# Altium PCB PCB2.PcbDoc (part 1 of 2) (continued)
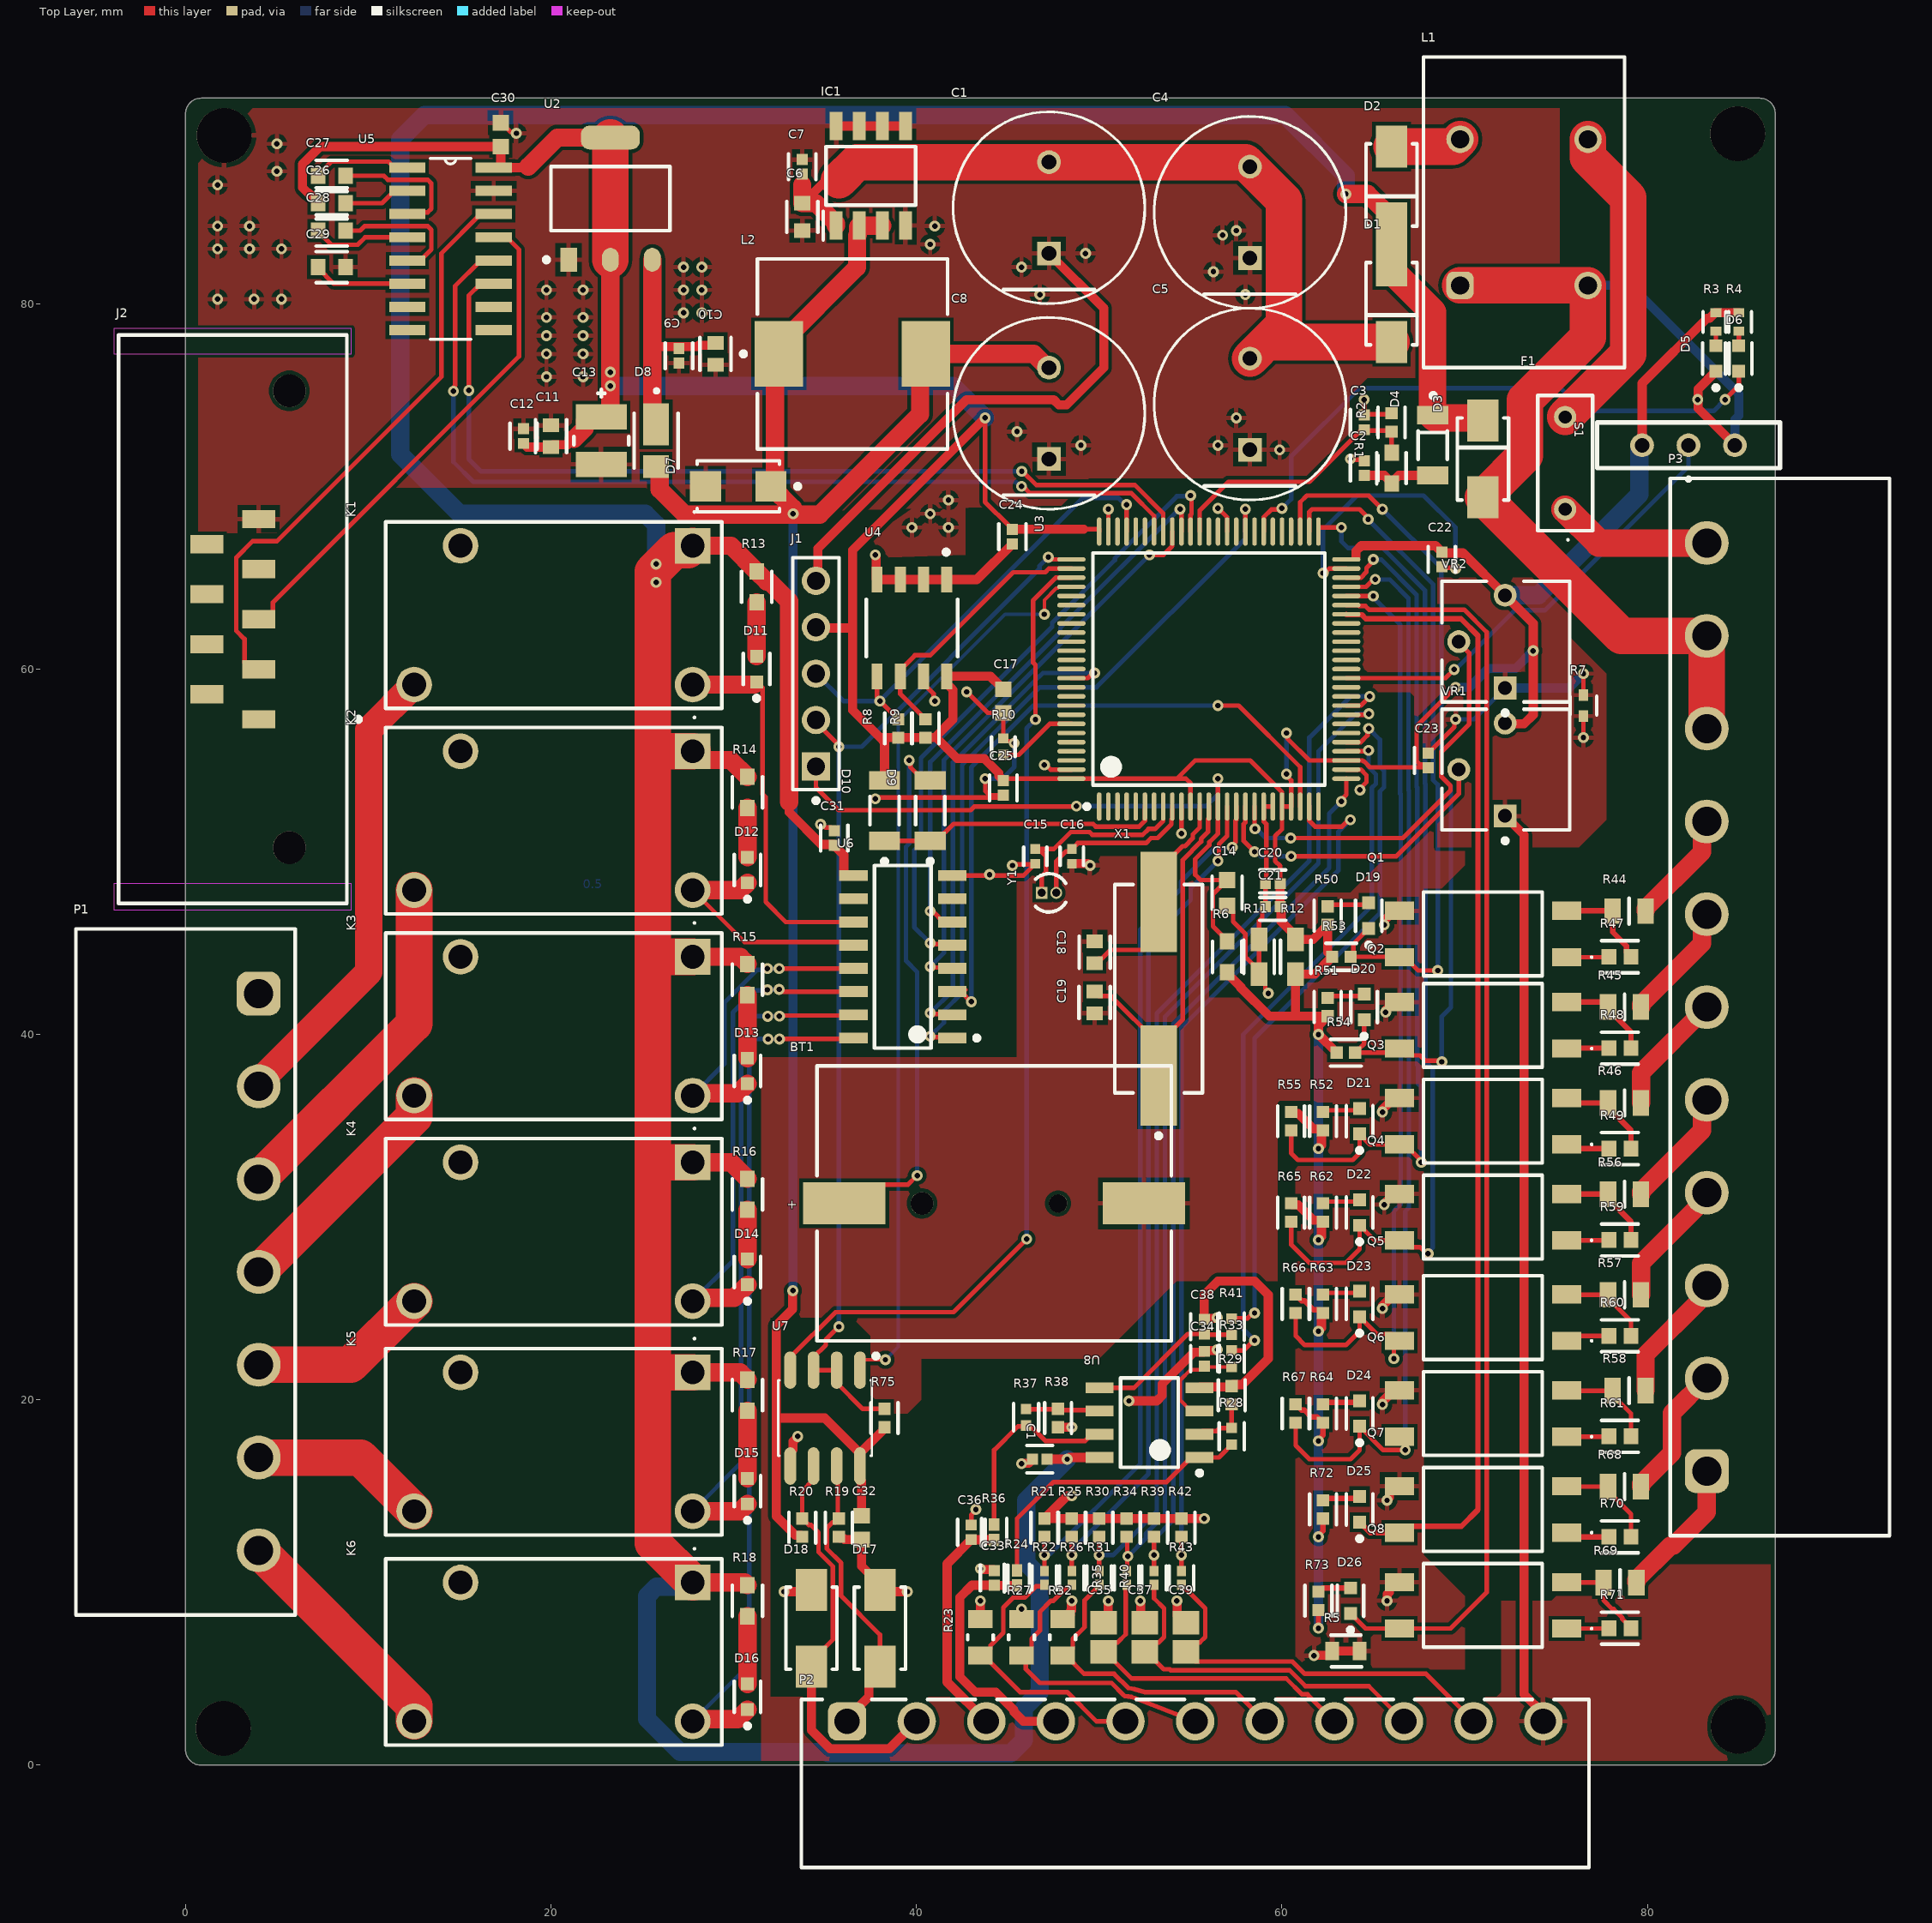
[diagram p0: Top Layer view]
## Part data (continued)
C35 C37 C39: library part CMP-2007-01019-1, Manufacturer=Kemet, Part Number=C0805C106M8PACTU
D1 D2: library part CMP-03913-71101534-2, "Trans Voltage Suppressor Diode, 400W, Unidirectional, 1 Element, Silicon, DO-214AC", Breakdown Voltage=8.19V, Clamping Voltage=12V, Leakage Current=200µA, Max Operating Temperature=150°C, Min Operating Temperature=-65°C, Peak Pulse Current=33.3A, Peak Pulse Power=400W, Power Line Protection=No, Reverse Standoff Voltage=7V, Composition=Zener, Height=2.25mm, Length=4.24mm, Max Breakdown Voltage=8.19V, Min Breakdown Voltage=8.19V, Mount="Surface Mount", Number of Pins=2, Number of Unidirectional Channels=1, Packaging="Cut Tape", Polarity=Unidirectional, REACH SVHC=Unknown, RoHS=Compliant, Width=2.67mm
D3: library part CMP-03913-71101519-2, "TVS diode [Würth Elektronik] 824500281 TVS diode", Breakdown Voltage=32.75V, Clamping Voltage=45.4V, Leakage Current=1µA, Max Operating Temperature=150°C, Min Operating Temperature=-65°C, Peak Pulse Current=8.8A, Peak Pulse Power=400W, Power Line Protection=No, Reverse Standoff Voltage=28V, Composition=Zener, Height=2.25mm, Length=4.24mm, Max Breakdown Voltage=32.75V, Min Breakdown Voltage=32.75V, Mount="Surface Mount", Number of Pins=2, Number of Unidirectional Channels=1, Packaging="Cut Tape", Polarity=Unidirectional, REACH SVHC=Unknown, RoHS=Compliant, Width=2.67mm
D4: library part CMP-14400-000013-1, "DIODE ZENER 12V 500MW SOD80C", Forward Current=250mA, Manufacturer=Nexperia, Max Junction Temp=+200°C, Max Reverse Leakage Current=0.1uA, Max Zener Voltage=12.7V, Nom Zener Voltage=12V, Package=SOD80C, Power Dissipation=400mW, Reverse Voltage=8V, Temperature="-65°C to +200°C", Temperature Range Low=-65°C, Automotive=No, Category=Diode, ComponentLink2Description=Datasheet, ComponentLink2URL=https://assets.nexperia.com/documents/data-sheet/BZV55_SER.pdf, Device Class L1="Discrete Semiconductors", Device Class L2=Diodes, Device Class L3="Zener Diodes", Digikey Description="DIODE ZENER 12V 500MW SOD80C", Footprint Url=https://assets.nexperia.com/documents/outline-drawing/SOD80C.pdf, Height=1.6mm, Lead Free=Yes, Manufacturer Part Number=BZV55-C12,115, Mouser Description="Diode Zener Single 12.05V 5% 500mW 2-Pin Mini-MELF T/R", Octopart=https://octopart.com/bzv55-c12%2C115-nexperia-78739834, RoHS=TRUE, Temperature Range High=+200°C, Zener Impedance=10Ω
D5 D6 D11 D12 D13 D14 D15 D16 D19 D20 D21 D22 D23 D24 D25 D26: library part CMP-00731-94024739-1, "LSM0603453V LED SM 0603 3V -/1000/-mcd Green", Case/Package=0603, Color=Green, Forward Current=20mA, Forward Voltage=2.3V, Max Operating Temperature=85°C, Min Operating Temperature=-40°C, Power Dissipation=60mW, Reverse Voltage=5V, Height=550µm, Luminous Intensity=120mcd, NexarPartId=94024739, Schedule B="8541402000, 8541406050", Viewing Angle=120°, Wavelength=576nm
D7: library part CMP-02539-000047-1, "DIODE SCHOTTKY 2A 40V DO-214AC", RoHS Compliant=Yes
D8: library part CMP-00278-84331602-1, "SS14FP Diode Schottky 40V 1A 2-Pin SOD-123HE T/R - Tape and Reel", Average Rectified Current=1A, Capacitance=54pF, Manufacturer Lifecycle Status=ACTIVE, Max Forward Surge Current (Ifsm)=30A, Max Junction Temperature (Tj)=150°C, Max Repetitive Reverse Voltage (Vrrm)=40V, Min Operating Temperature=-55°C, Peak Reverse Current=400µA, Element Configuration=Single, Forward Current=1A, Height=1mm, Lifecycle Status=Production, Max Operating Temperature=150°C, Max Reverse Voltage (DC)=40V, Mount="Surface Mount", NexarPartId=84331602, Reverse Recovery Time=6ns, Reverse Voltage=40V, RoHS=Compliant, Schedule B="8541100080, 8541100080", Weight=18.4mg
D9 D10: library part CMP-14399-000003-1, "DIODE GEN PURP 75V 200MA LLDS", Ambient Temperature Range High=+200°C, Ambient Temperature Range Low=-65°C, Capacitance=4pF, Forward Current=200mA, Manufacturer=Nexperia, Max Repetitive Reverse Voltage=100V, Max Surge Forward Current=0.5A, Package=SOD80C, Peak Reverse Current=0.025uA, Reverse Voltage=75V, Temperature="to +200°C", Automotive=No, Category=Diode, ComponentLink2Description=Datasheet, ComponentLink2URL=https://assets.nexperia.com/documents/data-sheet/PMLL4148L_PMLL4448.pdf, Device Class L1="Discrete Semiconductors", Device Class L2=Diodes, Device Class L3="Rectifier Diodes", Digikey Description="DIODE GEN PURP 75V 200MA LLDS", Footprint Url=https://assets.nexperia.com/documents/outline-drawing/SOD80C.pdf, Height=1.6mm, Lead Free=Yes, Manufacturer Part Number=PMLL4148L,115, Max Junction Temp=+200°C, Octopart=https://octopart.com/pmll4148l%2C115-nexperia-78741557, RoHS=TRUE, Temperature Range High=+200°C
D17 D18: library part CMP-03913-71101551-2, "TVS diode [Würth Elektronik] 824501221 TVS diode", Breakdown Voltage=25.65V, Clamping Voltage=35.5V, Leakage Current=1µA, Max Operating Temperature=150°C, Min Operating Temperature=-65°C, Peak Pulse Current=11.3A, Peak Pulse Power=400W, Power Line Protection=No, Reverse Standoff Voltage=22V, Composition=Zener, Height=2.25mm, Length=4.24mm, Max Breakdown Voltage=25.65V, Min Breakdown Voltage=25.65V, Mount="Surface Mount", Number of Bidirectional Channels=1, Number of Pins=2, Packaging="Cut Tape", Polarity=Bidirectional, REACH SVHC=Unknown, RoHS=Compliant, Width=2.67mm
F1: "Fuse", Manufacturer_Name=LITTELFUSE, Mouser Part Number=650-RUEF110-2, Arrow Part Number=RUEF110-2, Arrow Price/Stock=https://www.arrow.com/en/products/ruef110-2/littelfuse?region=nac, Datasheet Link=https://www.littelfuse.com/~/media/electronics/product_specifications/resettable_ptcs/littelfuse_ptc_ruef110_product_specification.pdf.pdf, Height=14.2mm, Manufacturer_Part_Number=RUEF110-2, Mouser Price/Stock=https://www.mouser.co.uk/ProductDetail/Littelfuse/RUEF110-2?qs=k5V78Jg%2Feq5PDttMRR0ePQ%3D%3D
IC1: "Integrated Circuit", Manufacturer_Name=XLSEMI, Datasheet Link=https://datasheet.lcsc.com/szlcsc/XLSEMI-XL1509-5-0E1_C61063.pdf, Height=1.75mm, Manufacturer_Part_Number=XL1509-5.0E1
J1: library part CMP-00257-00655425-1, "90120-0125 2.54mm Pitch C-Grid III Header, Single Row, Vertical, 5 Circuits, Tin (Sn) Plating", Contact Resistance=20mΩ, Current Rating=3A, Housing Color=Black, Manufacturer Lifecycle Status=ACTIVE, Max Operating Temperature=125°C, Max Voltage Rating (DC)=350.35kV, Min Operating Temperature=-55°C, Voltage Rating=350V, Contact Gender=Male, Contact Material=Brass, Contact Plating=Tin, Country of Origin=SK, Gender=Male, Glow Wire Compliant=Non-compliant, Housing Material=Polyester, Lead Free="Lead Free", Lead Length=2.9mm, Lead Pitch=2.54mm, Lifecycle Status=Production, Mating Post Length=6.75mm, Mount="Through Hole", NexarPartId=655425, Number of Circuits=5, Number of Contacts=5, Number of Pins=5, Number of Positions=5, Number of Rows=1, Orientation=Vertical, Packaging=Bulk, Pitch=2.54mm, Plating=Tin, Radiation Hardening=No, REACH SVHC="No SVHC", RoHS=Compliant, Schedule B=8536694040, Termination=Solder, Voltage Rating (AC)=350V
J2: library part CMP-33115-000006-1, "CONN D-SUB RCPT 9POS SMD SLDR", Color=Black, Current Rating=5A, Max Operating Temperature=125°C, Min Operating Temperature=-55°C, Body Material=Steel, Connector Type=D-Sub, Contact Material=Bronze, Contact Plating=Gold, Depth=12.25mm, Gender=Receptacle, Housing Material=Polymer, Length=31.12mm, Mating Cycles=250, Mount="Surface Mount", Number of Contacts=9, Number of Positions=9, Number of Rows=2, Orientation=Straight, Packaging="Tape and Reel", Pitch=2.74mm, REACH SVHC="No SVHC", RoHS Compliant=Yes, Termination=Solder, Width=12.5mm
K1 K2 K3 K4 K5 K6: "Relay or Contactor", Manufacturer_Name=Hongfa, Manufacturer_Part_Number=HF32F/024-HS3, Datasheet Link=https://source.hongfa.com//Api/DownloadPdf/265, Height=15.8mm
L1: library part 744862120, "WE-TFC THT Common Mode Power Line Choke, UU9.8V, 12mH, 0.4A, 2Ω", Case/Size Code=UU9.8V, DC Resistance Max=2Ω, Insulation Test Voltage (AC)=2500V, Manufacturer="Wurth Elektronik", Operating Temperature Max=125°C, Operating Temperature Min=-40°C, Rated Current=0.4A, Rated Voltage (AC)=300V, Category="Common Mode Chokes", ComponentLink1Description="Manufacturer Link", ComponentLink1URL=https://www.we-online.com/redexpert/article/744862120?ad, ComponentLink2Description=Datasheet, ComponentLink2URL=https://www.we-online.com/redexpert/spec/744862120?ad, Height=17mm, Inductance=12mH, Length=17mm, Manufacturer Part Number=744862120, Match Code=WE-TFC, Material=MnZn, Mount="Through Hole", Packaging=Tray, Width=11.5mm
L2: library part CMP-06042-010777-1, "Shielded Wirewound Inductor 68uH 20% 1100mA 0.24Ω SMD", Case/Package=Nonstandard, Current Rating=1.1A, DC Resistance (DCR)=240mR, Inductance=68uH, Max Operating Temperature=85°C, Min Operating Temperature=-40°C, Resistor Type=Wirewound, Saturation Current=1.3A, Test Frequency=100kHz, Tolerance=20%, Core Material=Ferrite, Height - Seated (Max)=0.19inch, Length=0.409inch, Mount="Surface Mount", Packaging="Tape and Reel", Shielding=Shielded, Width=0.409inch
P1: library part CMP-1502-02197-3, "Terminal Block, 5.08MM Pitch, Close Horizontal Pcb Header, 300VAC, 7 Pins"
P2: library part CMP-1502-01895-3, "Terminal Block, 3.81MM Pitch, Horizontal Pcb Header, 300VAC, 11 Pins"
P3: library part CMP-1502-02201-3, "Terminal Block, 5.08MM Pitch, Close Horizontal Pcb Header, 300VAC, 11 Pins"
Q1 Q2 Q3 Q4 Q5 Q6 Q7 Q8: "Phototransistor", Manufacturer_Name="American Bright Optoelectronics Corporation", Datasheet Link=https://www.americanbrightled.com/pdffiles/ir-uv/ir/APC-817.pdf, Height=4.05mm, Manufacturer_Part_Number=APC-817C1-SL
R1 R6: library part CMP-03412-024743-1, "RES SMD 10K OHM 0.05% 1/10W 0603", Manufacturer=Yageo, Manufacturer Part Number=RT0603WRE0710KL, Package=RT0603, Power Rating=0.1W, Resistance=10KΩ, Temperature="-55°C to +155°C", Temperature Coefficient="50 ppm/°C", Temperature Range High=+155°C, Temperature Range Low=-55°C, Tolerance=0.0005, Voltage Rating=75V, Automotive=No, Category=Res, ComponentLink2Description=Datasheet, ComponentLink2URL=http://www.yageo.com/documents/recent/PYu-RT_1-to-0.01_RoHS_L_9.pdf, Composition="Thin Film", Device Class L1="Passive Components", Device Class L2=Resistors, Device Class L3="Chip SMD Resistors", Digikey Description="RES SMD 10K OHM 0.05% 1/10W 0603", Footprint Url=http://www.yageo.com/exep/pages/download/literatures/PYu-R_Mount_10.pdf, Height=0.55mm, Ipc Land Pattern Name=RESC16080X45, Lead Free=Yes, Mouser Description="Res SMD 10K Ohm 0.05% 1/10W 0603", Octopart=https://octopart.com/rt0603wre0710kl-yageo-71396825, RoHS=TRUE, Series=RT
R2: library part CMP-08839-002316-1, "Thick Film Chip Resistor, 0402, 4.7kΩ, 1%, 100ppm/°C, 0.063W, 50V"
R3 R4: library part CMP-26527-001818-1, "510Ω ±1% 0.063W 0402 Thick Film Chip Resistor AEC-Q200 compliant", Case Code (Imperial)=0402, Case Code (Metric)=1005, Max Operating Temperature=155°C, Max Power Dissipation=63mW, Min Operating Temperature=-55°C, Package Quantity=10000, Resistance=510R, Resistor Type="Thick Film", Temperature Coefficient=100ppm/°C, Tolerance=1%, Case/Package=0402, Contact Plating=Tin, Features="Automotive AEC-Q200", Height=0.016inch, Length=0.039inch, Mount="Surface Mount", Number of Terminations=2, Packaging="Tape and Reel", RoHS Compliant=Yes, Series=RMCF, Width=0.02inch
R5: library part CMP-02407-013117-1, "RES SMD 0 OHM JUMPER 1/4W 0603", Case Code (Imperial)=0603, Case Code (Metric)=1608, Max Operating Temperature=155°C, Max Power Dissipation=250mW, Min Operating Temperature=-55°C, Ratings=AEC-Q200, Resistance=0R, Resistor Type="Thick Film", Case/Package=0603, Features="Automotive AEC-Q200", Height=0.02inch, Length=0.061inch, Number of Terminations=2, Packaging="Cut Tape", RoHS Compliant=Yes, Series="RCS e3", Width=0.033inch
R7: library part CMP-08839-031884-1, "RES SMD 0 OHM JUMPER 1/5W 0402", Case Code (Imperial)=0402, Case Code (Metric)=1005, Max Operating Temperature=155°C, Max Power Dissipation=200mW, Min Operating Temperature=-55°C, Resistance=0mR, Resistor Type="Thick Film", Temperature Coefficient=200ppm/°C, Case/Package=0402, Features="Automotive AEC-Q200", Height=0.01inch, Length=0.039inch, Number of Terminations=2, Packaging="Tape and Reel", RoHS Compliant=Yes, Width=0.02inch
R8 R9 R19 R20 R21 R25 R29 R30 R34 R38 R39 R42 R53 R54 R55 R65 R66 R67 R75: library part CMP-250906-194630-1, "RES Thin Film,  4.7kΩ, 0.5%, 0.063W, 25ppm/°C, 0402"
R10: library part CMP-02407-000363-1, "RES SMD 1.2K OHM 1% 1/10W 0402", Case Code (Imperial)=0402, Case Code (Metric)=1005, Max Operating Temperature=175°C, Max Power Dissipation=100mW, Min Operating Temperature=-55°C, Package Quantity=10000, Resistance=10kR, Temperature Coefficient=25ppm/°C, Tolerance=0.5%, Voltage Rating=50V, Case/Package=0402, Composition="Thin Film", Contact Plating=Tin, Features="Automotive AEC-Q200", Height=0.015inch, Length=0.039inch, Number of Terminations=2, Packaging="Tape and Reel", Power Rating=100mW, Radiation Hardening=No, Termination=SMD/SMT, Weight=2.1E-05oz, Width=0.5mm
R11 R12: library part CMP-26527-000122-1, "RES 0 OHM JUMPER 1/4W 0603", Case Code (Imperial)=0603, Case Code (Metric)=1608, Max Operating Temperature=155°C, Min Operating Temperature=-55°C, Package Quantity=5000, Resistance=0mR, Case/Package=0603, Height=0.021inch, Length=0.061inch, Mount="Surface Mount", Number of Terminations=2, Packaging="Tape and Reel", Radiation Hardening=No, RoHS Compliant=Yes, Termination=Wraparound, Width=0.031inch
R13 R14 R15 R16 R17 R18: library part CMP-03412-049129-1, "RES 4.7kΩ 1.00% 0.2W 0603"
R22 R26 R31 R35 R40 R43: library part CMP-03211-008081-1, "CRGCQ 0402 10K 5%", Ambient Temperature Range High=+70°C, Manufacturer="TE Connectivity", Manufacturer Part Number=CRGCQ0402J10K, Package=CRGCQ0402, Power Rating=0.0625W, Resistance=10KΩ, Temperature="-55°C to +155°C", Temperature Coefficient=±100ppm/°C, Temperature Range High=+155°C, Temperature Range Low=-55°C, Tolerance=0.05, Voltage Rating=50V, Automotive=Yes, Category=Res, ComponentLink2Description=Datasheet, ComponentLink2URL=https://www.te.com/commerce/DocumentDelivery/DDEController?Action=showdoc&DocId=Data+Sheet%7F1773204-3%7F1%7Fpdf%7FEnglish%7FENG_DS_1773204-3_1.pdf%7F4-2176347-923, Composition="Thick Film", Device Class L1="Passive Components", Device Class L2=Resistors, Device Class L3="Chip SMD Resistors", Digikey Description="CRGCQ 0402 10K 5%", Height=0.4mm, Ipc Land Pattern Name=RESC10050X35, Lead Free=Yes, Mouser Description="Res Thick Film 0402 10K Ohm 5% 0.063W(1/16W) ±100ppm/C Pad SMD Automotive T/R", Octopart=https://octopart.com/crgcq0402j10k-te+connectivity-91017993, RoHS=TRUE, Series=CRGCQ
R23 R27 R32: library part CMP-00347-25743669-1, "RNCF0805TKY500R RNCF Precision Thin Film Chip Resistor 0805 Size 500 Ohm 0.01% 0.125 W 5 ppm/°C 2-Pin SMD T/R", Case/Package=0805, Max Operating Temperature=155°C, Min Operating Temperature=-55°C, Power Rating=125mW, Resistance=500Ω, Temperature Coefficient=5ppm/°C, Tolerance=0.01%, Voltage Rating=150V, Composition="Thin Film", Height=650µm, Mount="Surface Mount", NexarPartId=25743669, RoHS=Non-Compliant
R24 R36: library part CMP-26527-003696-1, "120Ω ±1% 0.063W 0402 Thick Film Chip Resistor AEC-Q200 compliant", Case Code (Imperial)=0402, Case Code (Metric)=1005, Max Operating Temperature=155°C, Max Power Dissipation=63mW, Min Operating Temperature=-55°C, Package Quantity=10000, Resistance=120R, Resistor Type="Thick Film", Temperature Coefficient=100ppm/°C, Tolerance=1%, Case/Package=0402, Contact Plating=Tin, Features="Automotive AEC-Q200", Height=0.016inch, Length=0.039inch, Mount="Surface Mount", Number of Terminations=2, Packaging="Tape and Reel", Radiation Hardening=No, RoHS Compliant=Yes, Series=RMCF, Width=0.02inch
R28 R33 R37 R41: library part CMP-250906-284563-1, "RES Thin Film,  10kΩ, 0.1%, 0.063W, 25ppm/°C, 0402", RoHS Compliant=Yes
R44 R45 R46 R56 R57 R58 R68 R69: library part CMP-02407-001466-1, "RES 1.05K OHM 0.5% 1/5W 0805", Case/Package=0805, Max Operating Temperature=125°C, Max Power Dissipation=125mW, Min Operating Temperature=-55°C, Package Quantity=5000, Resistance=4.7kR, Temperature Coefficient=25ppm/°C, Tolerance=0.1%, Composition="Thin Film", Depth=1.25mm, Height=0.022inch, Lead Free="Lead Free", Length=0.079inch, Military Standard=Not, Number of Terminations=2, Packaging="Tape and Reel", Width=0.049inch
R47 R48 R49 R59 R60 R61 R70 R71: library part CMP-26527-002649-1, "510Ω ±5% 0.1W 0603 Thick Film Chip Resistor AEC-Q200 compliant", Case Code (Imperial)=0603, Case Code (Metric)=1608, Max Operating Temperature=155°C, Max Power Dissipation=100mW, Min Operating Temperature=-55°C, Resistance=510R, Resistor Type="Thick Film", Temperature Coefficient=200ppm/°C, Tolerance=5%, Case/Package=0603, Construction=Rectangular, Contact Plating=Tin, Depth=0.8mm, Features="Automotive AEC-Q200", Height=0.022inch, Lead Free="Lead Free", Length=0.061inch, Military Standard=Not, Mount="Surface Mount", Number of Terminations=2, Packaging="Tape and Reel", Power Rating=100mW, Radiation Hardening=No, RoHS Compliant=Yes, Series=RMCF, Size Code=0603, Width=0.031inch
R50 R51 R52 R62 R63 R64 R72 R73: library part CMP-02407-008912-1, "RES SMD 1.2K OHM 1% 1/10W 0402"
S1: "Switch", Manufacturer_Name=EOZ, Manufacturer_Part_Number=09-03290.01
U2: library part CMP-209535-000001-1, "LDO Voltage Regulators 1A, 3.3V", Dropout Voltage=1.1V, Manufacturer="Advanced Monolithic Systems", Max Junction Temp=+125°C, Max Power Dissipation=1.2W, Max Supply Voltage=15V, Nominal Supply Current=5mA, Output Current=1A, Output Voltage=3.3V, Package=AMS1117, Temperature="-40°C to +125°C", Temperature Range Low=-40°C, Automotive=No, Category=IC, ComponentLink2Description=Datasheet, ComponentLink2URL=http://www.advanced-monolithic.com/pdf/ds1117.pdf, Device Class L1="Integrated Circuits (ICs)", Device Class L2="Power Management ICs", Device Class L3="Voltage Regulators - Linear", Height=1.8mm, Ipc Land Pattern Name=SOT229P700X180-4, Lead Free=Yes, Manufacturer Part Number=AMS1117-3.3, Number of Outputs=1, Octopart=https://octopart.com/ams1117-3.3-advanced+monolithic+systems-25899300, Output Type=Fixed, RoHS=TRUE, Standoff Height=0.64mm, Temperature Range High=+125°C
U3: library part CMP-0237-00164-3, "ARM Cortex-M3 32-bit MCU, 256 KB Flash, 48 KB Internal RAM, 80 I/Os, 100-pin LQFP, -40 to 85 degC, Tray", I/Os (High Current)=80, Operating Frequency(F) (Processor speed) (MHz)=72, Supply Voltage(Vcc) min (V)=2, A/D Converter="3x12-bit (16 Channel)", ComponentLink1Description="Manufacturer URL", ComponentLink1URL=http://www.st.com/web/en/home.html, ComponentLink2Description=Datasheet, ComponentLink2URL=http://www.st.com/st-web-ui/static/active/en/resource/technical/document/datasheet/CD00191185.pdf, ComponentLink3Description="Package Specification", ComponentLink3URL=http://www.st.com/st-web-ui/static/active/en/resource/technical/document/data_brief/DM00071938.pdf, Core="ARM Cortex-M3", D/A Converter="2x12-bit (2 Channel)", DatasheetVersion="Rev. 8", FLASH Size (Prog) (kB)=256, Internal RAM Size (kB)=48, Mounting Technology="Surface Mount", PackageDescription="100-Pin Low Profile Quad Flat Package, 14 x 14 mm Body, 0.5 mm Pitch", PackageReference=LQFP100, PackageVersion="Rev. 1, 06/2013", Packing=Tray, PartNumber=STM32F103VCT6
U4: library part CMP-12142-000011-1, "IC EEPROM 64K I2C 1MHZ 8SO", Ambient Temperature Range High=+85°C, Ambient Temperature Range Low=-40°C, Frequency=1MHz, Manufacturer=STMicroelectronics, Max Supply Voltage=5.5V, Min Supply Voltage=2.5V, Nominal Supply Current=2-2.5mA, Package=SO8N-SO-A, Temperature="-40°C to +85°C", Access Time=900ns, Automotive=No, Category=IC, ComponentLink2Description=Datasheet, ComponentLink2URL=https://www.st.com/content/ccc/resource/technical/document/datasheet/5c/df/52/a5/15/f2/48/bd/CD00259166.pdf/files/CD00259166.pdf/jcr:content/translations/en.CD00259166.pdf, Device Class L1="Integrated Circuits (ICs)", Device Class L2=Memory, Device Class L3=EEPROM, Digikey Description="IC EEPROM 64K I2C 1MHZ 8SO", Height=1.75mm, Interface=I2C, Ipc Land Pattern Name=SOIC127P600X175-8, Lead Free=Yes, Manufacturer Part Number=M24C64-WMN6TP, Memory Size=64Kbits, Memory Type=EEPROM, Mouser Description="EEPROM EEPROM S. I2C 64k", Octopart=https://octopart.com/m24c64-wmn6tp-stmicroelectronics-55412559, RoHS=TRUE, Standoff Height=0.1mm, Temperature Range High=+85°C, Temperature Range Low=-40°C
U5: "2/2 Transceiver Full RS232 16-SOIC", Package="SOIC-16 Exar", Check_prices=https://www.snapeda.com/parts/SP3232EEN-L/MaxLinear/view-part/?ref=eda, MF="MaxLinear, Inc.", MP=SP3232EEN-L, SnapEDA_Link=https://www.snapeda.com/parts/SP3232EEN-L/MaxLinear/view-part/?ref=snap
U6: library part CMP-04912-000075-1, "MOSFET 7CH 16SOIC", Case/Package=SOIC, Collector Emitter Saturation Voltage=750mV, Collector Emitter Voltage (VCEO)=20V, Max Collector Current=140mA, Max Operating Temperature=85°C, Max Power Dissipation=860mW, Min Operating Temperature=-40°C, Output Voltage=16V, Package Quantity=1, Height=1.5mm, Lead Free="Lead Free", Length=10mm, Mount="Surface Mount", Number of Drivers=7, Number of Outputs=7, Number of Pins=16, Output Current=140mA, Packaging="Tape and Reel", Power Dissipation=860mW, Radiation Hardening=No, REACH SVHC="No SVHC", RoHS Compliant=Yes, Series=-, Weight=0.004998oz, Width=4mm
U7: library part CMP-00572-88282978-3, "Single Transmitter/Receiver RS-422/RS-485 8-Pin SOIC N T/R", Case/Package=SOIC, Manufacturer Lifecycle Status=ACTIVE, Max Junction Temperature (Tj)=150°C, Max Operating Temperature=85°C, Max Supply Voltage=5.5V, Min Operating Temperature=-40°C, Min Supply Voltage=4.5V, Operating Supply Voltage=5V, ComponentLink1Description="Manufacturer's Website", ComponentLink1URL=http://www.renesas.com, ComponentLink2Description="Datasheet URL", ComponentLink2URL=https://octopart.com/cad-content/api/get-model-datasheet/15189/88282978, ComponentLink3Description="Manufacturer's Package Drawing", ComponentLink3URL=https://www.renesas.com/en/document/psc/m815-8-lead-narrow-body-small-outline-plastic-package, Data Rate=115kbps, ESD Protection=Yes, Export Control Classification Number (ECCN) Code=EAR99, Height=0m, HelpURL=https://octopart.com/cad-content/api/get-model-datasheet/15189/88282978, Interface="RS-422, RS-485", Length=4.9mm, Lifecycle Status=Production, Logic Function=Transceiver, Mount="Surface Mount", Number of Drivers=1, Number of Pins=8, Number of Receivers=1, Number of Transmitters=1, Pitch=1.3mm, RAM Size=48kB, RoHS=Compliant, Simplex/Duplex="Half Duplex", Width=3.9mm
U8: library part CMP-1310-00289-1, "Single Supply Dual Operational Amplifier, 3 to 32 V, 0 to 70 degC, 8-Pin SOIC, Pb-Free, Tape and Reel", Manufacturer="On Semiconductor", ComponentLink1Description="Manufacturer URL", ComponentLink1URL=http://www.onsemi.com/, ComponentLink2Description=Datasheet, ComponentLink2URL=http://www.onsemi.cn/pub_link/Collateral/LM358-D.PDF, ComponentLink3Description="Package Specification", ComponentLink3URL=http://www.onsemi.com/pub_link/Collateral/751-07.PDF, DatasheetVersion="Rev. 27", Mounting Technology="Surface Mount", PackageDescription="8-Pin Small Outline Integrated Circuit, Body 4.9 x 3.9 mm, Pitch 1.27 mm", PackageReference=SOIC-8-751-07, PackageVersion="Rev. AK, 02/2011", Packing="Tape and Reel", PartNumber=LM358ADR2G, RoHS=TRUE, VCC Max (V)=32, VCC Min (V)=3
VR1 VR2: library part CMP-1747-00004-1, "Square Trimpot(R) Trimming Potentiometer, 10 KOhm, 300 V, -55 to 125 degC, 3-Pin THD, RoHS, Tube", Case Code (Imperial)=0612, Case Code (Metric)=1632, Case/Package=1206, Max Operating Temperature=125degC, Min Operating Temperature=-25degC, Package Quantity=5000, Power Rating="1 W", Resistance="50 mohm", Tolerance=1%, Voltage Rating="220 mV", ComponentLink1Description="Manufacturer URL", ComponentLink1URL=http://www.bourns.com/, ComponentLink2Description=Datasheet, ComponentLink2URL=http://www.bourns.com/docs/Product-Datasheets/3362.pdf, DatasheetVersion=May-16, Height="0.6 mm", Length="3.2 mm", Mount="Surface Mount", PackageDescription="3-Pin Through Hole Device, Body 6.6 x 6.99 mm, Pitch 2.54 mm", PackageReference=3326P, Packaging="Tape and Reel", Pins=2, REACH SVHC="No SVHC", RoHSCompliant=True, Width="1.6 mm"
X1: library part CMP-2000-06193-1, "Low Profile Quartz Crystal, 8.0 MHz, 2-Pin SMD, RoHS, Tape and Reel", Case Height=4.3mm, Case Length=13.2mm, Case Width=4.8mm, Frequency=8MHz, Frequency Stability=50PPM, Load Capacitance=18pF, Manufacturer=ECS, Operating Temperature Range=-10Cto+70C, Package / Case=HC-49/US, Package Description="2-Pin Surface Mount Device, Body 11.4 x 4.8 mm, Height 4.3 mm", Tolerance=30PPM, Brand=ECS, Datasheet URL=https://www.ecsxtal.com/store/pdf/csm-7x.pdf, Datasheet Version=05/2016, Dimensions=4.8mmWx13.2mmLx4.3mmH, Factory Pack Quantity=1000, Manufacturer URL=https://www.ecsxtal.com/, Mounting Style=SMD/SMT, Mounting Technology=SurfaceMount, Package Reference=ECS-80-18-5PX-TR, Packaging=Reel, Product Category=Crystals, RoHS=Details, Series=CSM-7X, Termination Style=SMD/SMT, Type=SMDQuartzCrystals
Y1: library part CMP-2000-05723-1, "Crystal, 12.5 pF, 32.768 KHz, -10 to 60 degC, 2-Pin THD, RoHS, Bulk", Case Diameter=2.1mm, Case Length=6.2mm, Frequency=32.768kHz, Frequency Stability=-0.034PPM, Load Capacitance=12.5pF, Manufacturer=ABRACON, Operating Temperature Range=-10Cto+60C, Package / Case=Cylinder, Package Description="2-Pin Through Hole Device, Dia 2.1 mm, Body Length 6.2 mm", Package Reference=AB26T, Tolerance=20PPM, Brand=ABRACON, Datasheet URL=http://www.abracon.com/Resonators/AB26T.pdf, Datasheet Version=06/2010, Dimensions=2.1mmDia.x6.2mmL, ESR=35kOhms, Factory Pack Quantity=500, Lead Spacing=0.8mm, Manufacturer URL=http://www.abracon.com/, Mounting Style=ThroughHole, Mounting Technology=ThroughHole, Package URL=http://www.abracon.com/Support/PackageDrawing/Resonators/AB26T.PDF, Packaging=Bulk, Product Category=Crystals, RoHS=Details, Series=AB26T, Termination Style=Radial, Type=WatchCrystal

## Free pads (board coordinates)
  round 3 hole 3: MH(2.063,2.014) MH(2.11,89.206) MH(84.942,89.309) MH(84.96,2.132)

## Via types
v1: diameter 0.6, hole 0.3, Top Layer to Bottom Layer, 142 vias
v2: diameter 0.6, hole 0.3, Top Layer to Bottom Layer, tented both sides, 47 vias

## Nets (pads, with @x,y where several pads share a name; then routed paths per layer and width w, separated by ;. In a path a pad name is that pad's centre, name@x,y a point inside that pad or via, vN(x,y) a via of type N, cw(c..) or ccw(c..) an arc to the next point about the centre after c; other vN are vias at no path point)
0_+++: C34.1 R33.2 U8.3 | length 5.6
  Top Layer w0.2: U8.3@55.49,19.385 55.03,19.385 54.43,19.985 54.43,21.079 54.998,21.647 55.547,21.647 C34.1@55.75,21.85 55.803,21.796 R33.2@57.25,21.796
0_---: R28.2 R29.2 U8.2 | length 3.2
  Top Layer w0.25: U8.2@55.49,18.115 55.665,18.29 56.425,18.29 56.589,18.454 R28.2@57.25,18.454 R29.2@57.25,19.746
1_+++: C38.1 R41.1 U8.5 | length 8.5
  Top Layer w0.25: U8.5@50.01,20.655 51.905,20.655 54.85,23.6 C38.1@55.75,23.6 55.777,23.573 57.223,23.573 R41.1@57.25,23.546
1_---: R37.1 R38.2 U8.6 | length 3.8
  Top Layer w0.25: R37.1@46.25,19.454 46.275,19.479 47.725,19.479 R38.2@47.75,19.504 47.809,19.444 49.951,19.444 U8.6@50.01,19.385